# Altium PCB FMC_ADC_130M_16B_4CHv4.PcbDoc (part 6 of 8)
Units mm, origin at the board's own origin, x right, y up, seen from the top; angles counter-clockwise.
Board outline 76.78 x 69 mm, 8 copper layers (Top Layer, GND1, L3, GND2, L5, GND3, POWER, Bottom Layer), stack 1.329 mm thick; 397 components, 449 nets, 2112 pads, 1765 vias.
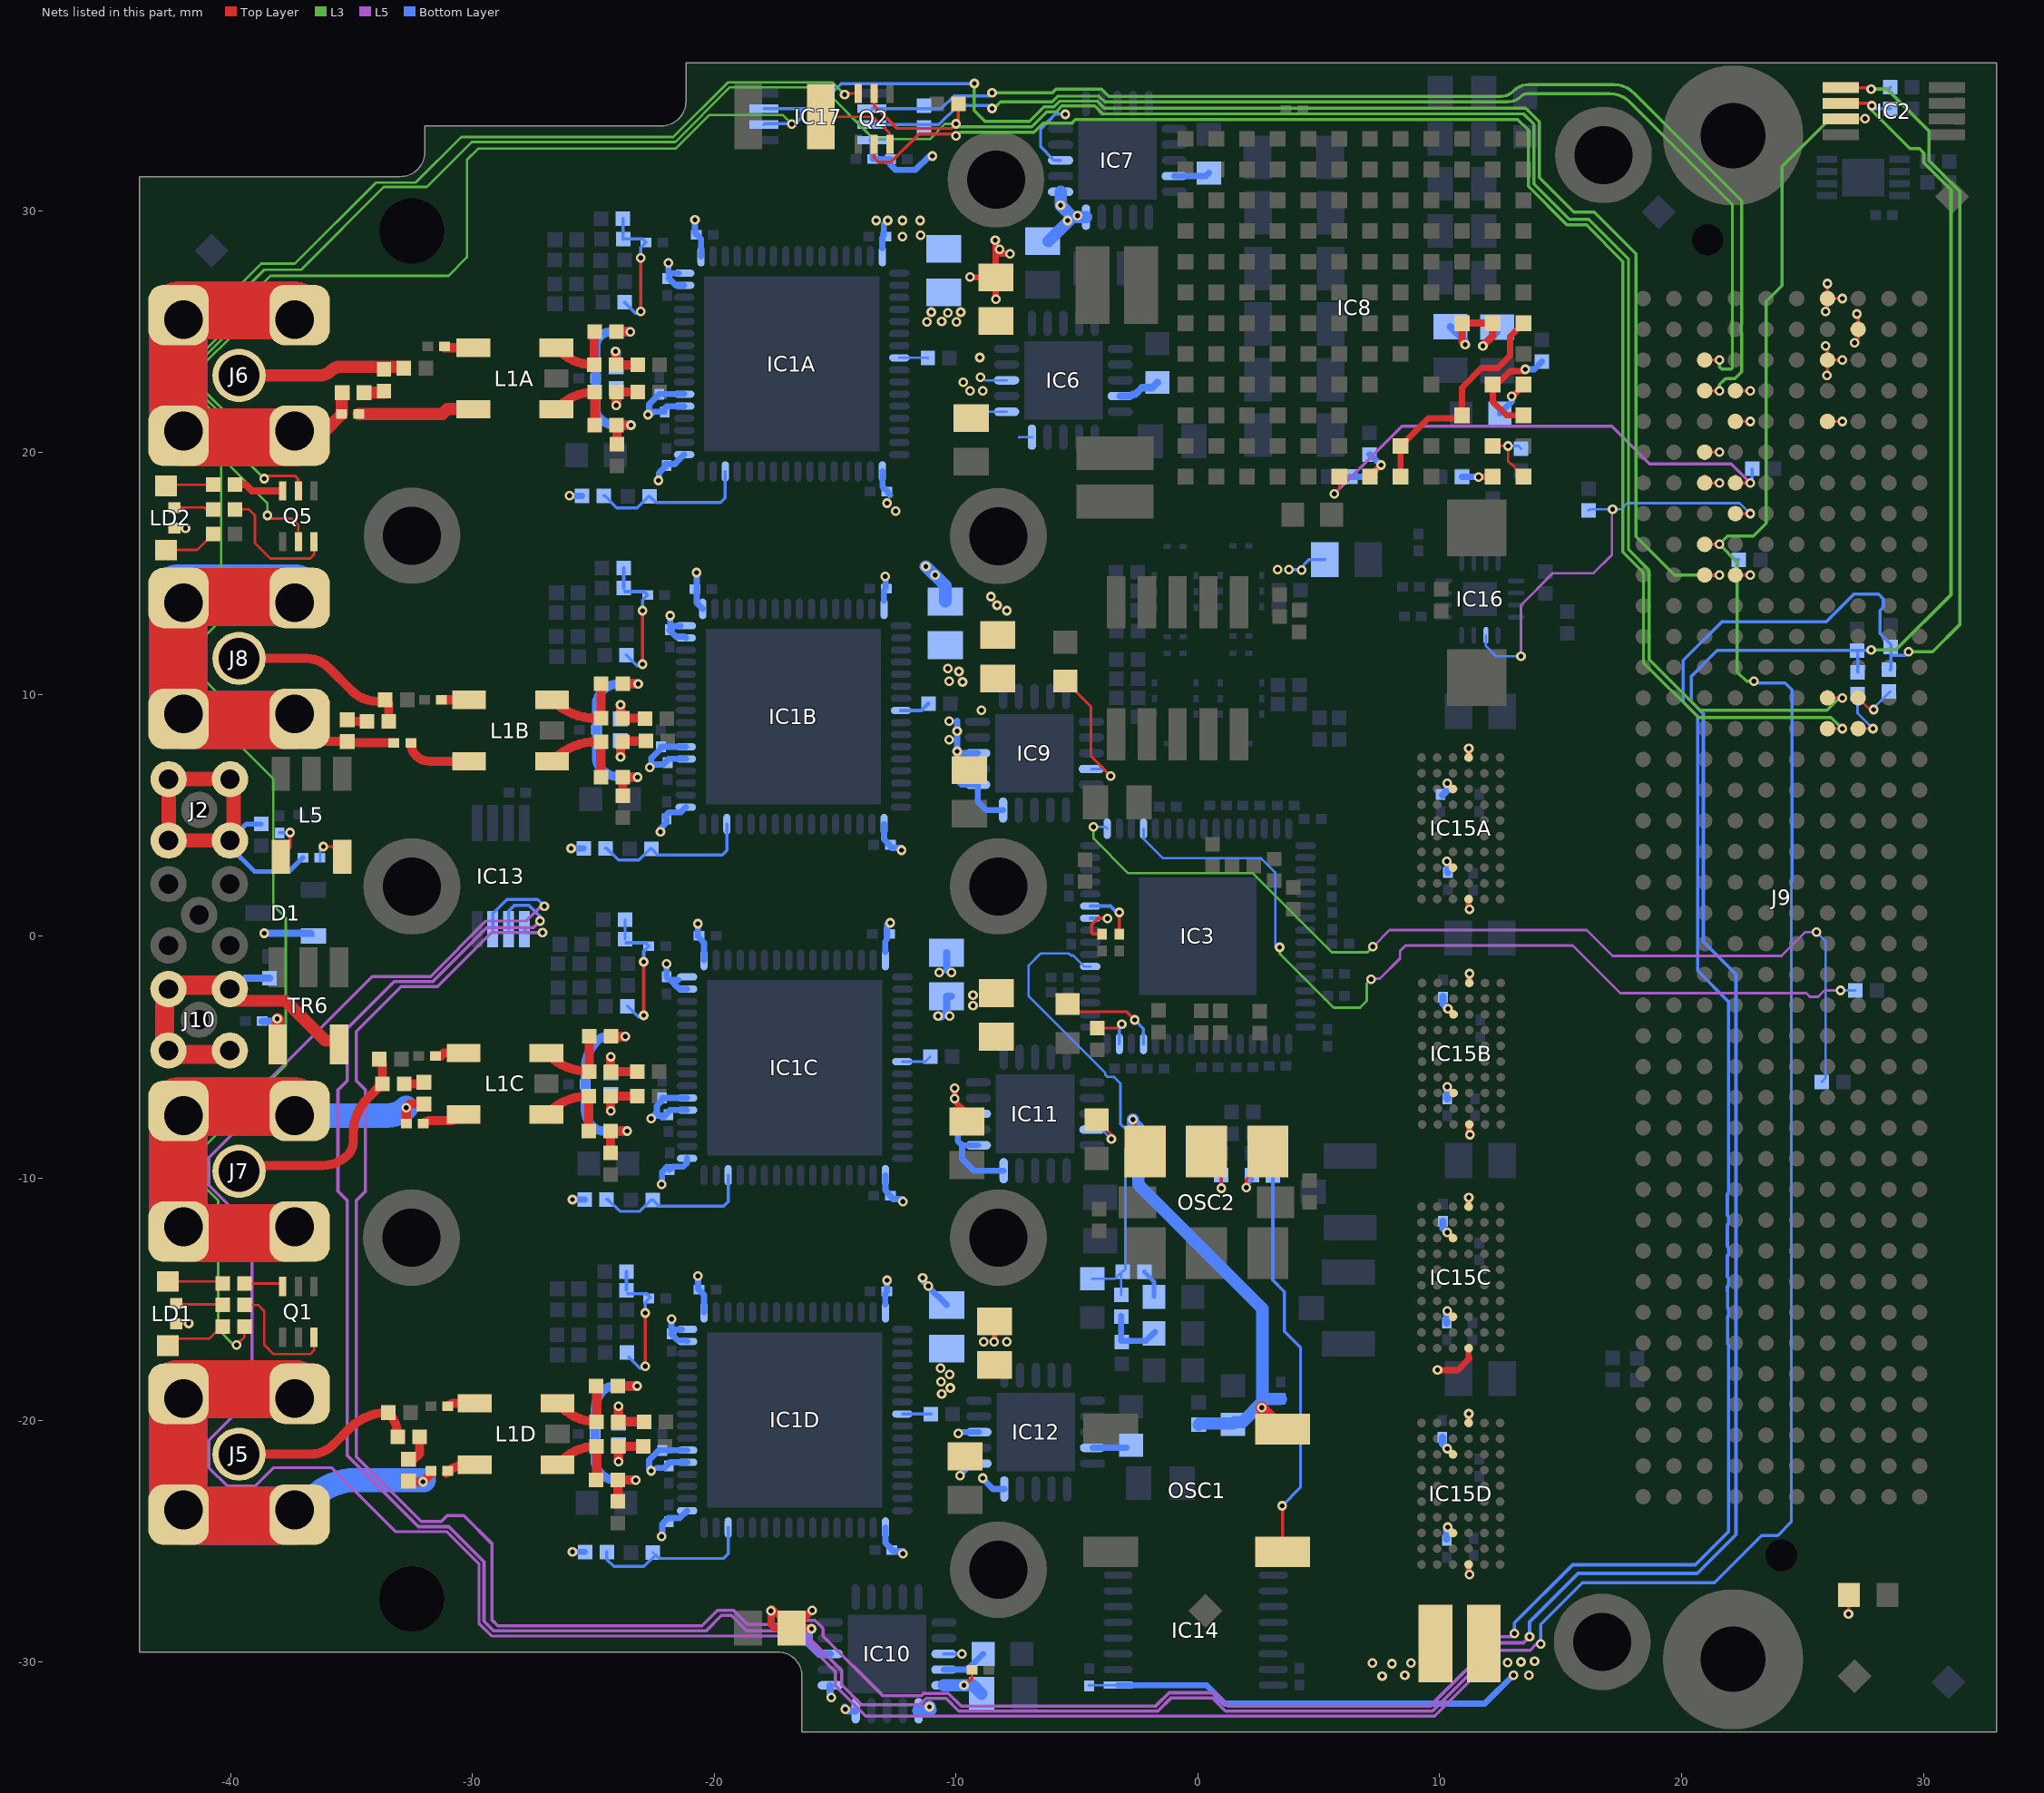
[diagram p12: the nets of this part, all layers, seen from the top]

## Via types
v1: diameter 0.4, hole 0.2, Top Layer to Bottom Layer, tented both sides, 1471 vias
v2: diameter 0.5, hole 0.2, Top Layer to Bottom Layer, tented both sides, 280 vias
v3: diameter 0.4, hole 0.2, Top Layer to Bottom Layer, 14 vias

## Nets (pads, with @x,y where several pads share a name; then routed paths per layer and width w, separated by ;. In a path a pad name is that pad's centre, name@x,y a point inside that pad or via, vN(x,y) a via of type N, cw(c..) or ccw(c..) an arc to the next point about the centre after c; other vN are vias at no path point) (continued)
LA26_N: J9.d27 Q2.5 Q5.2 R88.2 | length 111.1
  Top Layer w0.102: v3@-38.354,17.272 -37.465,17.272 -37.196,17.003 Q5.2@-37.196,16.315
  Top Layer w0.127: Q2.5@-13.389,34.847 -13.389,34.344 -12.446,33.401 -10.195,33.401 v1(-10.008,33.588) -9.905,33.691 R88.2@-9.905,34.418 ; J9.d27@26.033,9.855 v1(26.645,9.855)
  L3 w0.102: v3(-38.481,17.399) -38.481,17.907 -40.132,19.558 -40.132,21.336 -41.422,22.626 -41.422,23.602 -40.259,24.765 -40.259,25.908 -38.608,27.559 -37.084,27.559 -33.661,30.982 -31.883,30.982 -30.023,32.842 -21.607,32.842 -19.347,35.103 -15.545,35.103 -13.398,32.956 -12.308,32.956 -12.305,32.959 -11.085,32.959 -10.455,33.588 v1(-10.008,33.588)
  L3 w0.127: v1@-9.884,33.465 -6.876,33.465 -6.251,34.09 -5.826,34.09 ; -5.826,34.126 -5.627,34.325 -4.261,34.325 -3.937,34.001 13.464,34.001 13.894,33.572 13.894,31.097 15.349,29.642 16.161,29.642 17.805,27.998 17.805,15.984 18.639,15.15 ; 18.639,15.092 18.651,15.079 18.651,11.449 20.753,9.347 26.01,9.347 v1@26.518,9.855
LA26_P: J9.d26 Q2.2 | length 63.1
  Top Layer w0.127: Q2.2@-13.389,32.747 -13.389,32.185 -13.208,32.004 -12.7,32.004 -11.532,33.172 -10.093,33.172 v1(-10.008,33.087) ; J9.d26@26.033,8.585 v1(26.645,8.585)
  L3 w0.127: v1(-10.008,33.087) -9.871,33.223 -9.856,33.223 -9.844,33.236 -6.782,33.236 -6.398,33.62 -5.182,33.62 ; -5.182,33.655 -5.064,33.773 13.222,33.773 13.665,33.329 13.665,31.002 15.254,29.413 16.067,29.413 17.577,27.903 17.577,15.889 18.41,15.056 18.41,14.997 18.423,14.985 18.423,11.321 20.701,9.042 26.187,9.042 v1(26.645,8.585)
LA27_N: J9.c27 R35.2 | length 1.9
  Top Layer w0.102: J9.c27@27.303,9.855 27.786,9.373 v1(27.94,9.373)
  Bottom Layer w0.102: v1(27.94,9.373) 27.94,9.431 R35.2@28.626,10.116
LA27_P: J9.c26 R37.2 | length 2.3
  Top Layer w0.102: J9.c26@27.303,8.585 v1(27.915,8.585)
  Bottom Layer w0.102: R37.2@27.28,10.015 27.28,9.22 v1(27.915,8.585)
LA28_N: IC2.3 IC13.3 J9.h32 R5.1 | length 178.8
  Top Layer w0.127: J9.h32@20.953,16.205 v1(21.565,16.205) ; IC2.3@26.578,33.787 26.598,33.807 v1(27.584,33.807)
  L5 w0.127: v1(-27.026,1.245) -27.026,1.27 -27.127,1.27 -27.762,0.635 -29.427,0.635 -31.722,-1.66 -34.14,-1.66 -39.624,-7.144 -39.624,-7.874 -40.894,-9.144 -40.894,-10.287 -39.116,-12.065 -39.116,-19.05 -40.894,-20.828 -40.894,-21.971 -40.132,-22.733 -38.989,-22.733 -38.227,-21.971 -35.814,-21.971 -33.17,-24.615 -31.054,-24.615 -29.726,-25.943 -29.726,-28.403 -29.202,-28.927 -16.455,-28.927 -14.986,-30.396 -14.986,-30.988 -13.736,-32.238 9.785,-32.238 12.508,-29.515 13.741,-29.515 13.995,-29.261 v1(14.173,-29.261)
  L3 w0.127: v1(22.987,10.541) 22.684,10.541 22.301,10.924 22.301,15.469 v1(21.565,16.205) 21.904,16.545 22.971,16.545 23.5,17.074 23.5,26.241 24.155,26.896 24.155,31.826 26.137,33.807 v1(27.584,33.807)
  Bottom Layer w0.127: IC13.3@-29.154,0.289 -29.154,0.945 -28.575,1.524 -27.305,1.524 v1(-27.026,1.245) ; v1(14.173,-29.261) 14.173,-28.448 15.9,-26.721 21.367,-26.721 23.313,-24.775 23.978,-24.775 24.536,-24.216 24.536,2.261 24.562,2.286 24.562,10.185 24.282,10.465 23.063,10.465 v1(22.987,10.541) ; v1(21.565,16.205) 22.2,15.57 R5.1@22.359,15.57
LA28_P: IC17.2 IC17.3 J9.h31 Q5.5 | length 100
  Top Layer w0.127: v3(-38.608,18.923) -38.496,19.035 -37.335,19.035 -37.196,18.896 Q5.5@-37.196,18.415 ; J9.h31@20.953,14.935 v1(21.565,14.935)
  L3 w0.102: v3(-38.608,18.923) -39.878,20.193 -39.878,21.336 -41.148,22.606 -41.148,23.622 -39.878,24.892 -39.878,25.781 -38.354,27.305 -30.988,27.305 -30.226,28.067 -30.226,32.098 -29.761,32.563 -21.599,32.563 -20.202,33.96 -17.17,33.96 v1(-16.789,33.579)
  L3 w0.127: v1(-9.246,35.255) -9.246,34.138 -8.801,33.693 -6.971,33.693 -6.371,34.293 -5.946,34.293 -5.711,34.528 -4.176,34.528 -3.878,34.23 13.564,34.23 14.122,33.671 14.122,31.369 15.545,29.947 16.383,29.947 18.11,28.219 18.11,16.535 19.71,14.935 v1(21.565,14.935)
  Bottom Layer w0.127: IC17.2@-17.941,33.561 -17.897,33.604 -16.625,33.604 -16.392,33.837 -16.392,34.198 -16.405,34.211 ; IC17.3@-17.941,34.211 -16.405,34.211 ; v1(-9.246,35.255) -14.741,35.255 -15.785,34.211 -16.405,34.211
LA29_N: J9.g31 | length 0.6
  Top Layer w0.127: J9.g31@22.223,14.935 v1(22.835,14.935)
LA30_N: J9.h35 | length 0.6
  Top Layer w0.127: J9.h35@20.953,20.015 v1(21.565,20.015)
LA30_P: J9.h34 | length 0.6
  Top Layer w0.127: J9.h34@20.953,18.745 v1(21.565,18.745)
LA31_N: IC8.G12 J9.g34 R78.2 | length 21.4
  Top Layer w0.102: v1(5.639,18.288) 5.664,18.313 5.69,18.313 5.842,18.466 IC8.G12@5.842,18.999
  Top Layer w0.127: J9.g34@22.223,18.745 v1(22.835,18.745)
  L5 w0.127: v1(5.639,18.288) 8.433,21.082 17.12,21.082 18.669,19.533 22.047,19.533 v1(22.835,18.745)
  Bottom Layer w0.102: v1(5.639,18.288) v1@5.664,18.313
  Bottom Layer w0.127: v1(22.835,18.745) 22.918,18.829 R78.2@22.918,19.329
LA31_P: IC16.6 J9.g33 R48.2 | length 18.2
  Top Layer w0.127: J9.g33@22.223,17.475 v1(22.835,17.475)
  L5 w0.102: v1(13.36,11.582) 13.36,13.691 14.681,15.011 16.358,15.011 17.12,15.773 v1@17.12,17.628
  Bottom Layer w0.102: IC16.6@11.909,12.445 11.909,11.993 12.319,11.582 v1(13.36,11.582) ; R48.2@16.154,17.609 cw(c16.26,17.504) 16.26,17.653 v1(17.145,17.653) 17.501,17.653 17.755,17.907 22.403,17.907 v1(22.835,17.475)
LA32_N: IC17.7 J9.h38 R75.1 | length 46.5
  Top Layer w0.127: J9.h38@20.953,23.825 v1(21.565,23.825)
  L3 w0.127: v1(-8.509,34.223) -8.431,34.223 -8.158,34.496 -6.03,34.496 -5.795,34.731 -4.092,34.731 -3.857,34.496 12.797,34.496 ccw(c12.797,35.318) 13.378,34.737 cw(c13.609,34.506) 13.609,34.833 17.043,34.833 cw(c17.043,33.684) 17.855,34.496 22.098,30.253 22.098,25.429 22.089,25.419 22.089,24.822 22.098,24.813 22.098,23.495 22.047,23.444 21.656,23.444 21.565,23.535 v1(21.565,23.825)
  Bottom Layer w0.127: IC17.7@-13.481,33.561 -13.419,33.623 -13.123,33.623 -13.061,33.561 -10.707,33.561 -9.914,34.354 -8.639,34.354 v1(-8.509,34.223)
LA32_P: IC17.6 J9.h37 R75.2 | length 47.6
  Top Layer w0.127: J9.h37@20.953,22.555 v1(21.565,22.555)
  L3 w0.127: v1(-8.509,34.877) -6.017,34.877 -5.869,35.025 -3.98,35.025 -3.68,34.725 12.543,34.725 ccw(c12.543,35.411) 13.028,34.926 13.05,34.948 cw(c13.692,34.307) 13.692,35.214 17.2,35.214 cw(c17.2,34.065) 18.013,34.877 22.479,30.411 22.479,25.271 22.47,25.261 22.47,24.98 22.479,24.97 22.479,23.337 22.205,23.063 21.819,23.063 21.565,22.809 v1(21.565,22.555)
  Bottom Layer w0.127: IC17.6@-13.481,34.211 -10.614,34.211 -10.077,34.747 -8.639,34.747 v1(-8.509,34.877)
LA33_N: J9.g37 | length 0.6
  Top Layer w0.127: J9.g37@22.223,22.555 v1(22.835,22.555)
LA33_P: J9.g36 | length 0.6
  Top Layer w0.127: J9.g36@22.223,21.285 v1(22.835,21.285)
NetC1A_1: C1A.1 L1A.4 | length 4.8
  Top Layer w0.508: C1A.1@-34.702,21.59 -31.242,21.59 -31.039,21.793 L1A.4@-29.96,21.793
NetC1A_2: C1A.2 C6A.1 J6.2 | length 32
  Top Layer w0.508: J6.2@-37.347,20.635 -36.103,20.889 C1A.2@-35.402,21.59 -35.402,22.452 C6A.1@-35.375,22.479
  Top Layer w2: J6.2@-42.164,21.106 J6.2@-41.947,20.635
  Top Layer w2.4: J6.2@-42.164,21.106 -42.164,25.87 J6.2@-37.347,25.87 ; J6.2@-41.947,20.635 J6.2@-37.347,20.635
  Bottom Layer w2.4: J6.2@-42.164,21.106 -42.164,25.87 J6.2@-37.347,25.87 ; J6.2@-41.947,20.635 J6.2@-37.347,20.635
NetC1B_1: C1B.1 L1B.4 | length 2.8
  Top Layer w0.381: C1B.1@-32.543,8.001 ccw(c-31.781,8.001) -31.781,7.239 L1B.4@-30.138,7.239
NetC1B_2: C1B.2 C6B.1 J8.2 | length 33.4
  Top Layer w0.381: J8.2@-37.347,9.189 -37.347,8.059 C6B.1@-35.179,8.059 -35.179,8.001 C1B.2@-33.243,8.001
  Top Layer w2.4: J8.2@-42.164,9.406 -42.164,14.025 J8.2@-37.492,14.025 ; J8.2@-41.947,8.935 J8.2@-37.347,8.935
  Bottom Layer w2.4: J8.2@-42.164,9.406 -42.164,14.17 J8.2@-37.347,14.17 ; J8.2@-41.947,8.935 J8.2@-37.347,8.935
NetC1C_1: C1C.1 L1C.4 | length 1.8
  Top Layer w0.381: C1C.1@-32.035,-7.747 cw(c-31.728,-8.054) -31.728,-7.62 -30.979,-7.62 ccw(c-30.979,-6.753) L1C.4@-30.366,-7.366
NetC1C_2: C1C.2 C6C.1 J7.2 | length 34.5
  Top Layer w0.381: C1C.2@-32.735,-7.747 v1(-32.735,-7.081) -32.581,-6.927 C6C.1@-32.004,-6.927
  Top Layer w2.4: J7.2@-42.164,-11.794 -42.164,-7.03 J7.2@-37.347,-7.03 ; J7.2@-41.947,-12.265 J7.2@-37.347,-12.265
  Bottom Layer w1: J7.2@-37.347,-7.411 -33.532,-7.411 ccw(c-33.532,-6.284) v1(-32.735,-7.081)
  Bottom Layer w2.4: J7.2@-42.164,-11.794 -42.164,-7.03 J7.2@-37.347,-7.03 ; J7.2@-41.947,-12.265 J7.2@-37.347,-12.265
NetC1D_1: C1D.1 L1D.4 | length 1.3
  Top Layer w0.381: C1D.1@-31.078,-22.188 cw(c-30.247,-23.019) -30.247,-21.844 L1D.4@-29.909,-21.844
NetC1D_2: C1D.2 C6D.1 J5.2 | length 35.2
  Top Layer w0.102: J5.2@-37.871,-19.05 -37.852,-19.031 J5.2@-37.047,-19.031
  Top Layer w0.381: C6D.1@-32.766,-22.548 v1(-32.042,-22.548) C1D.2@-31.734,-22.24
  Top Layer w2.4: J5.2@-42.164,-23.494 -42.164,-18.73 J5.2@-37.347,-18.73 ; J5.2@-41.947,-23.965 J5.2@-37.347,-23.965
  Bottom Layer w1: J5.2@-36.605,-23.223 cw(c-34.809,-25.019) -34.809,-22.479 v1@-32.004,-22.479
  Bottom Layer w2.4: J5.2@-42.164,-23.494 -42.164,-18.73 J5.2@-37.347,-18.73 ; J5.2@-41.947,-23.965 J5.2@-37.347,-23.965
NetC2A_2: C2A.2 L1A.5 | length 1.2
  Top Layer w0.381: C2A.2@-31.146,24.333 L1A.5@-29.96,24.333
NetC2B_2: C2B.2 L1B.5 | length 0.9
  Top Layer w0.381: -31.021,9.779 L1B.5@-30.138,9.779
NetC2C_2: C2C.2 L1C.5 | length 1.2
  Top Layer w0.381: C2C.2@-31.527,-4.953 -31.305,-4.953 -31.178,-4.826 L1C.5@-30.366,-4.826
NetC2D_2: C2D.2 L1D.5 | length 1.2
  Top Layer w0.381: C2D.2@-31.019,-19.431 -31.016,-19.428 cw(c-30.717,-19.728) -30.717,-19.304 L1D.5@-29.909,-19.304 ; L1D.5@-29.571,-19.335 L1D.5@-29.566,-19.329
NetC5A_1: C5A.1 R8A.2 R9A.1 | length 2.1
  Top Layer w0.381: v1(-24.054,21.946) -24.054,22.46 cw(c-23.992,22.46) R8A.2@-24.036,22.504 R9A.1@-23.158,22.504
  Bottom Layer w0.381: v1(-24.054,21.946) C5A.1@-24.054,22.639
NetC5A_2: C5A.2 R1A.2 R2A.1 | length 2.1
  Top Layer w0.381: v1(-24.079,24.181) -24.079,23.666 ccw(c-24.017,23.666) R1A.2@-24.061,23.622 R2A.1@-23.158,23.622
  Bottom Layer w0.381: v1(-24.079,24.181) cw(c-24.141,24.119) -24.054,24.119 C5A.2@-24.054,23.539
NetC5B_1: C5B.1 R8B.2 R9B.1 | length 2.3
  Top Layer w0.381: v1(-23.876,7.417) -23.876,7.837 cw(c-23.579,7.837) R8B.2@-23.789,8.047 ; R8B.2@-23.789,8.073 R9B.1@-22.832,8.073
  Bottom Layer w0.381: v1(-23.876,7.417) C5B.1@-23.876,8.084
NetC5B_2: C5B.2 R1B.2 R2B.1 | length 2.1
  Top Layer w0.381: v1(-23.876,9.576) -23.876,9.223 ccw(c-23.579,9.223) R1B.2@-23.789,9.013 R2B.1@-22.903,9.013
  Top Layer w0.508: R2B.1@-22.903,9.013 cw(c-22.903,8.941) R2B.1@-22.853,8.992
  Bottom Layer w0.381: C5B.2@-23.876,8.984 v1(-23.876,9.576)
NetC5C_1: C5C.1 R8C.2 R9C.1 | length 2.4
  Top Layer w0.381: R8C.2@-24.29,-6.604 R9C.1@-23.183,-6.604 ; v1(-24.282,-7.214) R8C.2@-24.282,-6.611
  Bottom Layer w0.381: v1(-24.282,-7.214) C5C.1@-24.282,-6.546
NetC5C_2: C5C.2 R1C.2 R2C.1 | length 2.4
  Top Layer w0.381: v1(-24.282,-4.978) -24.282,-5.544 ccw(c-24.22,-5.544) R1C.2@-24.264,-5.588 R2C.1@-23.183,-5.588
  Bottom Layer w0.381: C5C.2@-24.282,-5.646 v1(-24.282,-4.978)
NetC5D_1: C5D.1 R8D.2 R9D.1 | length 2.4
  Top Layer w0.381: v1@-23.959,-21.71 R8D.2@-23.959,-21.082 R9D.1@-22.929,-21.082
  Bottom Layer w0.381: v1(-23.952,-21.717) C5D.1@-23.952,-21.024
NetC5D_2: C5D.2 R1D.2 R2D.1 | length 2.4
  Top Layer w0.381: v1@-23.959,-19.438 R1D.2@-23.959,-20.066 R2D.1@-22.904,-20.066
  Bottom Layer w0.381: C5D.2@-23.952,-20.124 v1(-23.952,-19.431)
NetC6A_2: C6A.2 R11A.1 | length 0.8
  Top Layer w0.508: C6A.2@-34.475,22.479 R11A.1@-33.655,22.479
NetC6B_2: C6B.2 R11B.1 | length 0.9
  Top Layer w0.381: C6B.2@-35.179,8.959 -35.179,8.89 R11B.1@-34.359,8.89
NetC6C_2: C6C.2 R11C.1 | length 0.8
  Top Layer w0.381: R11C.1@-32.824,-6.096 -32.073,-6.096 C6C.2@-32.004,-6.027
NetC6D_2: C6D.2 R11D.1 | length 1.4
  Top Layer w0.381: C6D.2@-32.766,-21.648 -32.443,-21.648 -32.189,-21.394 R11D.1@-32.189,-20.701
NetC10_1: C10.1 C53.2 C54.1 L8.2 OSC1.4 OSC2.6 | length 20.4
  Top Layer w0.127: v1(-2.692,-7.569) -2.718,-7.595 -2.718,-7.645 -2.584,-7.779 -2.584,-8.045 -2.318,-8.045 -2.184,-8.179 OSC2.6@-2.184,-8.898
  Top Layer w0.508: v1(2.642,-19.482) 2.642,-19.508 OSC1.4@3.504,-20.371
  Bottom Layer w0.127: v1@-2.718,-7.518 v1@-2.692,-7.518
  Bottom Layer w0.508: v1(-2.692,-7.569) -2.692,-7.695 -2.467,-7.92 -2.467,-10.264 2.667,-15.398 2.667,-19.253 1.829,-20.091 C53.2@1.524,-20.091 ; L8.2@0.025,-20.196 0.079,-20.142 C53.2@1.448,-20.142 ; 2.845,-19.126 2.85,-19.121 C10.1@3.429,-19.121
NetC19A_2: C19A.2 C20A.2 IC1A.32 IC1A.49 L4A.2 | length 1.9
  Bottom Layer w0.254: IC1A.32@-13.053,28.448 C20A.2@-13.053,28.879 ; IC1A.49@-13.044,19.216 -13.044,18.601 -13.026,18.583 -13.026,18.566 C19A.2@-12.794,18.334 ; C20A.2@-12.983,28.981 -12.983,29.433 -12.977,29.439 ; C19A.2@-12.779,18.288 C19A.2@-12.729,18.237
  other v1: -12.497,17.577 -12.852,17.907 -12.217,28.931 -11.462,28.981 -13.31,29.591 -12.827,29.591 -12.217,29.591 -11.481,29.591
NetC19B_2: C19B.2 C20B.2 IC1B.32 IC1B.49 L4B.2 | length 4.3
  Bottom Layer w0.254: IC1B.32@-12.984,13.868 C20B.2@-12.984,14.299 ; IC1B.49@-12.975,4.636 -12.975,4.022 -12.957,4.003 -12.957,3.986 C19B.2@-12.725,3.754 ; v1(-12.929,14.884) -12.929,14.88 -12.908,14.859 -12.914,14.853 C20B.2@-12.914,14.402 ; C19B.2@-12.71,3.708 -12.66,3.658 -12.248,3.658 v1(-12.248,3.556)
  Bottom Layer w0.508: v1(-11.252,15.291) -10.897,14.935 v1(-10.871,14.935) -10.443,14.507 L4B.2@-10.443,13.84
NetC19C_2: C19C.2 C20C.2 IC1C.32 IC1C.49 L4C.2 | length 3.5
  Bottom Layer w0.254: IC1C.32@-12.931,-0.65 -12.931,-0.219 ; IC1C.49@-12.923,-9.882 -12.923,-10.496 -12.904,-10.515 -12.904,-10.532 C19C.2@-12.672,-10.764 ; -12.861,-0.116 -12.861,0.335 -12.852,0.344 -12.852,0.508 -12.776,0.508 v1(-12.725,0.559) ; C19C.2@-12.658,-10.81 -12.607,-10.86 -12.195,-10.86 v1(-12.195,-10.962)
  Bottom Layer w0.305: -10.391,-1.395 L4C.2@-10.391,-0.678
  other v1: -10.693,-1.499 -10.185,-1.499
NetC19D_2: C19D.2 C20D.2 IC1D.32 IC1D.49 L4D.2 | length 4
  Bottom Layer w0.254: IC1D.32@-12.929,-15.215 C20D.2@-12.929,-14.784 ; IC1D.49@-12.92,-24.447 -12.92,-25.061 -12.901,-25.08 -12.901,-25.097 C19D.2@-12.669,-25.329 ; C20D.2@-12.858,-14.681 -12.858,-14.23 v1(-12.852,-14.224) ; C19D.2@-12.655,-25.375 -12.604,-25.425 -12.192,-25.425 v1(-12.192,-25.527) ; v1(-11.379,-14.122) -11.405,-14.148 -11.405,-14.226 v1@-11.164,-14.466 ; v1(-11.151,-14.453) -11.151,-14.478 -11.152,-14.479 L4D.2@-10.388,-15.243
NetC25A_2: C25A.2 R17A.1 R18A.1 R76A.2 | length 5.7
  Top Layer w0.135: v1(-23.038,25.832) v1(-23.038,28.042)
  Bottom Layer w0.135: R18A.1@-23.756,28.829 -22.967,28.829 C25A.2@-22.826,28.688 -23.038,28.476 v1(-23.038,28.042) ; R17A.1@-23.705,26.213 -23.255,25.763 -23.107,25.763 v1(-23.038,25.832)
  Bottom Layer w0.145: R76A.2@-23.771,29.677 -23.771,28.865 ccw(c-23.72,28.865) R18A.1@-23.756,28.829
NetC25B_2: C25B.2 R17B.1 R18B.1 R76B.2 | length 5.6
  Top Layer w0.135: v1(-22.969,11.252) v1(-22.969,13.462)
  Bottom Layer w0.135: R18B.1@-23.687,14.249 -22.898,14.249 C25B.2@-22.757,14.108 -22.969,13.896 v1(-22.969,13.462) ; R17B.1@-23.636,11.633 -23.186,11.183 -23.038,11.183 v1(-22.969,11.252)
  Bottom Layer w0.162: R18B.1@-23.743,14.402 R76B.2@-23.743,15.223
NetC25C_2: C25C.2 R17C.1 R18C.1 R76C.2 | length 5.6
  Top Layer w0.135: v1(-22.916,-3.266) v1(-22.916,-1.056)
  Bottom Layer w0.127: R18C.1@-23.686,-0.112 R76C.2@-23.686,0.68
  Bottom Layer w0.135: R18C.1@-23.634,-0.269 -22.845,-0.269 C25C.2@-22.704,-0.41 -22.916,-0.622 v1(-22.916,-1.056) ; R17C.1@-23.584,-2.885 -23.134,-3.335 -22.985,-3.335 v1(-22.916,-3.266)
NetC25D_2: C25D.2 R17D.1 R18D.1 R76D.2 | length 5.6
  Top Layer w0.135: v1(-22.855,-17.78) v1(-22.855,-15.57)
  Bottom Layer w0.135: R18D.1@-23.574,-14.783 -22.784,-14.783 -22.643,-14.924 -22.855,-15.136 v1(-22.855,-15.57) ; R17D.1@-23.523,-17.399 -23.073,-17.849 -22.924,-17.849 v1(-22.855,-17.78)
  Bottom Layer w0.145: R18D.1@-23.626,-14.627 R76D.2@-23.626,-13.871
NetC26A_1: C26A.1 R3A.1 R6A.2 R16A.1 | length 8.1
  Top Layer w0.381: R6A.2@-24.036,21.133 v1(-23.444,21.133) ; R3A.1@-24.036,24.994 v1(-23.47,24.994) ; R16A.1@-24.028,20.338 R6A.2@-24.028,21.126
  Bottom Layer w0.381: v1(-23.47,24.994) -24.249,24.994 ccw(c-24.249,24.3) -24.74,24.79 ccw(c-24.358,24.409) -24.898,24.409 C26A.1@-24.898,23.063 -24.898,21.794 ccw(c-24.358,21.794) -24.74,21.412 ccw(c-24.065,22.087) -24.065,21.133 v1(-23.444,21.133)
NetC26B_1: C26B.1 R3B.1 R6B.2 R16B.1 | length 8.5
  Top Layer w0.381: R16B.1@-23.782,5.817 R6B.2@-23.782,6.579 v1(-23.165,6.579) ; R3B.1@-23.782,10.439 v1(-23.139,10.439)
  Bottom Layer w0.381: v1(-23.165,6.579) -23.866,6.579 cw(c-23.866,7.706) -24.663,6.909 cw(c-24.159,7.413) -24.872,7.413 C26B.1@-24.872,8.534 -24.872,9.533 cw(c-23.986,9.533) -24.613,10.16 cw(c-23.938,9.485) -23.938,10.439 v1(-23.139,10.439)
NetC26C_1: C26C.1 R3C.1 R6C.2 R16C.1 | length 8.6
  Top Layer w0.381: R16C.1@-24.29,-8.941 R6C.2@-24.29,-8.052 v1(-23.597,-8.052) ; R3C.1@-24.264,-4.14 v1(-23.673,-4.14)
  Bottom Layer w0.381: v1(-23.673,-4.14) -24.412,-4.14 ccw(c-24.412,-4.747) -24.841,-4.318 ccw(c-23.663,-5.497) -25.329,-5.497 C26C.1@-25.329,-6.121 -25.329,-7.161 ccw(c-24.356,-7.161) -25.044,-7.849 ccw(c-24.554,-7.358) -24.554,-8.052 v1(-23.597,-8.052)
NetC26D_1: C26D.1 R3D.1 R6D.2 R16D.1 | length 9
  Top Layer w0.381: R6D.2@-23.985,-22.479 v1(-23.241,-22.479) ; R3D.1@-23.985,-18.593 v1(-23.19,-18.593) ; R16D.1@-23.978,-23.35 R6D.2@-23.978,-22.486
  Bottom Layer w0.381: v1(-23.241,-22.479) -24.076,-22.479 cw(c-24.076,-21.612) -24.689,-22.225 cw(c-24.123,-21.66) -24.923,-21.66 C26D.1@-24.923,-20.574 -24.923,-19.545 cw(c-23.863,-19.545) -24.613,-18.796 cw(c-24.122,-19.287) -24.122,-18.593 v1(-23.19,-18.593)
NetC29_2: C29.2 C99.2 IC8.B7 IC8.C7 | length 5.3
  Top Layer w0.305: v1(11.049,24.46) 10.922,24.587 IC8.C7@10.922,25.349 IC8.B7@12.192,25.349 12.192,24.816 v1(11.786,24.409)
  Bottom Layer w0.305: C99.2@10.439,25.208 11.049,24.598 v1(11.049,24.46) ; v1(11.786,24.409) 12.37,24.994 C29.2@12.37,25.182
NetC42_1: C42.1 L5.5 | length 1.6
  Top Layer w0.127: L5.5@-37.922,3.289 -37.541,3.67 v1(-37.541,4.293)
  Bottom Layer w0.127: C42.1@-37.973,4.278 -37.607,4.278 -37.592,4.293 v1(-37.541,4.293)
NetC43_1: C43.1 L5.4 | length 1.6
  Top Layer w0.102: v1(-36.162,3.709) -35.802,3.709 L5.4@-35.382,3.289
  Bottom Layer w0.102: C43.1@-36.302,3.099 -36.302,3.569 v1(-36.162,3.709)
NetC45_1: C45.1 IC3.10 | length 2.3
  Top Layer w0.145: C45.1@-3.958,0.096 -4.338,0.096 -4.394,0.152 -4.394,0.483 -4.127,0.75 -3.747,0.75 v1(-3.734,0.737)
  Bottom Layer w0.145: IC3.10@-4.45,0.75 -3.747,0.75 v1(-3.734,0.737)
NetC46_1: C46.1 IC3.11 | length 2.2
  Top Layer w0.145: v1(-3.251,0.991) -3.251,0.101 C46.1@-3.246,0.096
  Bottom Layer w0.145: IC3.11@-4.45,1.25 -3.612,1.25 -3.302,0.94 v1(-3.251,0.991)
NetC48_1: C48.1 TR6.6 | length 1.7
  Top Layer w0.102: v1(-38.075,-3.404) v1@-38.049,-3.429